# Altium PCB cyber60-mx.PcbDoc (part 3 of 4) (continued)
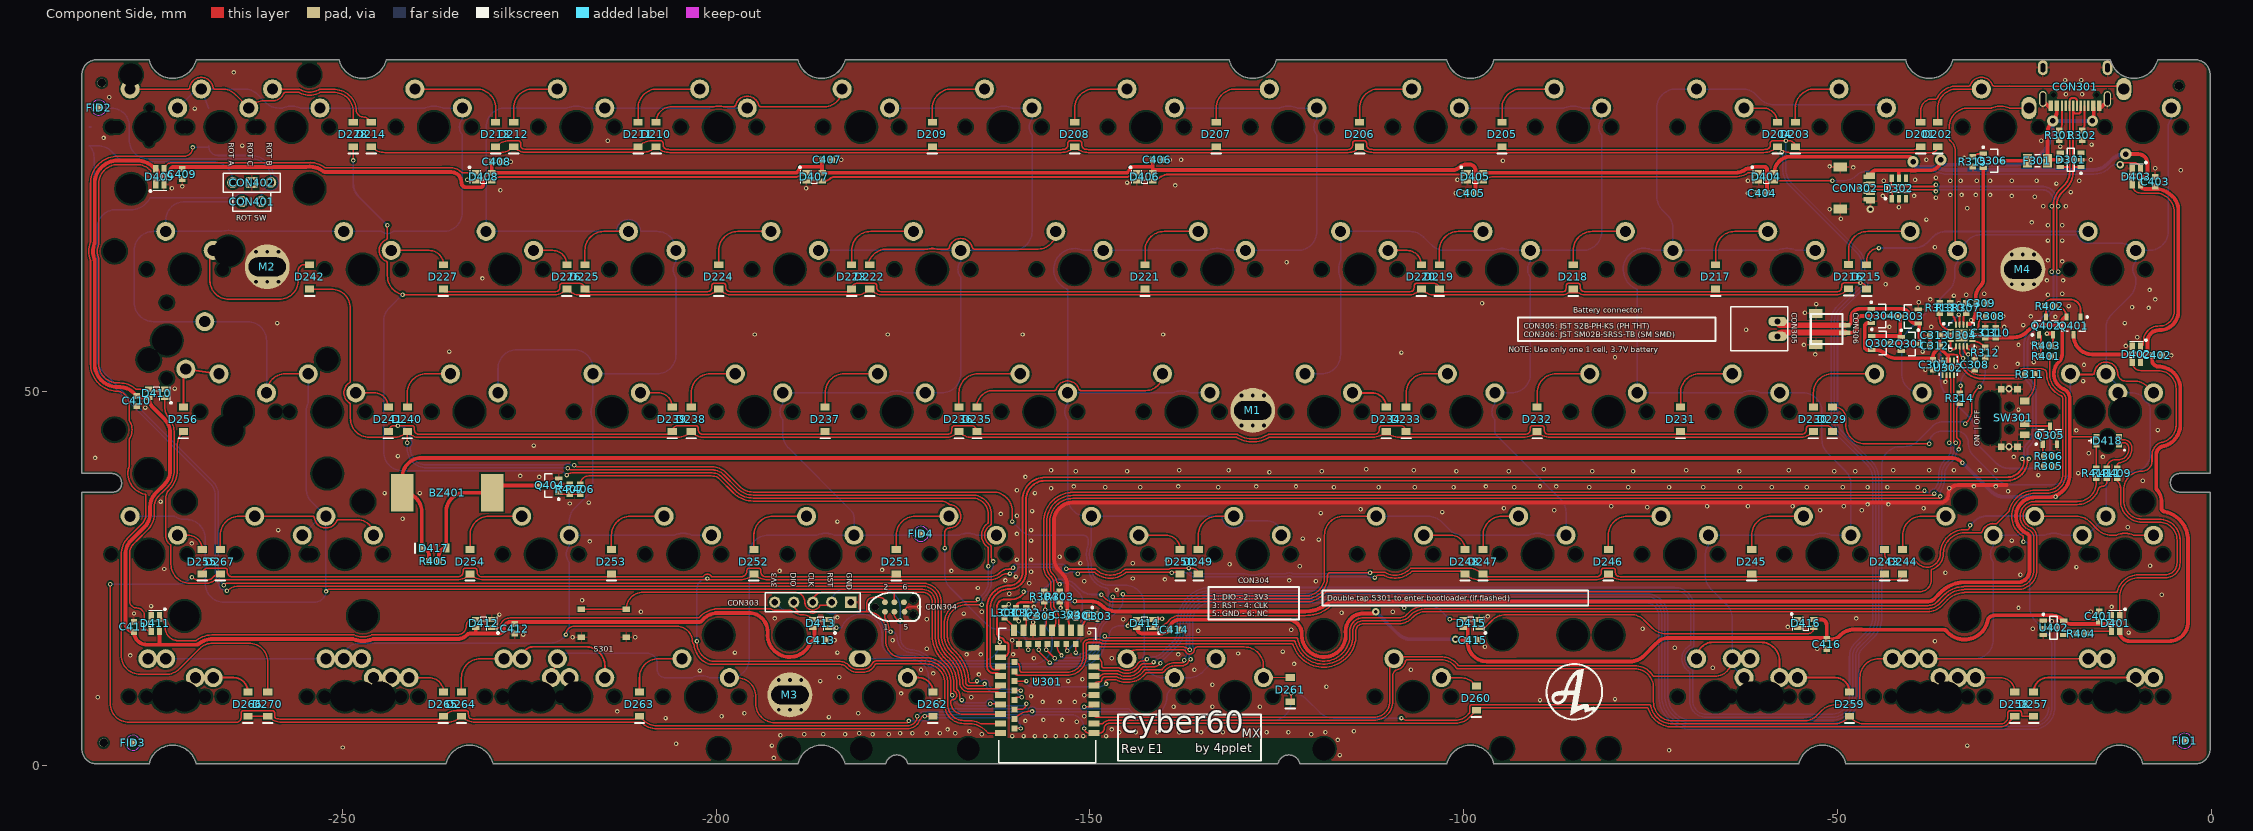
[diagram p0: Component Side view]
## Nets (pads, with @x,y where several pads share a name; then routed paths per layer and width w, separated by ;. In a path a pad name is that pad's centre, name@x,y a point inside that pad or via, vN(x,y) a via of type N, cw(c..) or ccw(c..) an arc to the next point about the centre after c; other vN are vias at no path point) (continued)
P0.06: R314.2 U301.14 | length 156.1
  Component Side w0.203: v1(-154.051,24.257) cw(c-154.051,24.421) -154.167,24.305 -154.433,24.571 ccw(c-156.293,24.279) -154.962,25.611 -155.036,25.685 cw(c-154.242,26.479) -155.36,26.373 ccw(c-155.964,26.32) -155.365,26.414 -155.365,32.639 cw(c-152.273,32.639) -152.273,35.731 -36.497,35.731 ccw(c-36.497,35.99) v1(-36.238,35.99) ; U301.14@-153.162,16.256 -153.162,15.674 ccw(c-152.728,15.674) v1(-153.035,15.367) ; v1(-33.782,42.291) -33.782,42.627 cw(c-33.579,42.626) -33.727,42.766 ccw(c-34.163,43.18) -33.91,43.726 cw(c-33.823,43.909) -34.026,43.908 -34.026,47.604 cw(c-32.76,47.604) R314.2@-33.655,48.499
  Bottom Layer w0.203: v1(-154.051,24.257) -154.051,24.26 cw(c-153.848,24.26) -153.848,24.463 -153.717,24.463 cw(c-153.717,22.327) -153.365,24.434 cw(c-153.717,22.327) -152.203,23.835 -152.004,23.636 -151.497,23.128 ; v1(-153.035,15.367) -151.511,16.891 ; -151.51,16.892 ccw(c-152.737,18.117) -151.257,17.214 ccw(c-152.737,18.117) -151.003,18.117 -151.003,21.937 ccw(c-152.688,21.937) -151.258,22.829 ccw(c-152.688,21.937) -151.496,23.128 ; v1(-36.238,35.99) -36.238,36.602 cw(c-36.035,36.601) -36.202,36.717 ccw(c-38.608,38.411) -35.665,38.411 -35.665,38.826 cw(c-33.528,38.826) -35.038,40.338 -34.706,40.669 ccw(c-36.375,42.34) v1@-34.014,42.34
P0.08: D243.2 D245.2 D247.2 D249.2 D251.2 D253.2 D255.2 U301.16 | length 289
  Component Side w0.203: D255.2@-268.732,25.63 cw(c-267.95,25.63) -267.95,26.412 -265.709,26.412 cw(c-265.709,26.085) -265.382,26.085 -265.382,25.917 -265.382,25.86 ccw(c-264.795,25.86) -264.795,25.273 -234.466,25.273 ccw(c-234.466,25.884) -233.855,25.884 -233.855,26.085 cw(c-233.528,26.085) -233.528,26.412 -232.308,26.412 cw(c-232.308,26.085) -231.981,26.085 -231.981,25.884 ccw(c-231.348,25.884) -231.679,25.345 ccw(c-231.571,25.517) -231.624,25.321 ccw(c-231.084,27.388) -231.084,25.251 -213.995,25.251 -201.845,25.251 ccw(c-201.845,25.454) -201.674,25.344 cw(c-201.168,25.019) -200.662,25.344 ccw(c-200.491,25.454) -200.491,25.251 -196.78,25.251 ccw(c-196.78,27.388) -196.61,25.258 ccw(c-196.716,26.085) -195.882,26.085 cw(c-195.555,26.085) -195.555,26.412 -194.335,26.412 cw(c-194.335,26.085) -194.008,26.085 -194.008,25.882 ccw(c-193.384,25.882) -193.688,25.337 ccw(c-193.587,25.514) -193.638,25.317 ccw(c-193.111,27.388) -193.294,25.259 ccw(c-193.276,25.461) -193.293,25.259 ccw(c-193.276,25.461) -193.277,25.258 ; -193.276,25.258 -192.532,25.258 -163.314,25.258 ccw(c-163.314,27.043) -162.052,25.781 cw(c-160.826,24.555) -160.826,26.289 -160.441,26.289 v1(-160.268,26.462) ; U301.16@-154.432,16.256 ccw(c-152.286,16.256) -153.803,14.738 v1(-153.797,14.732) ; v1(-153.156,26.335) ccw(c-153.046,26.445) -153.046,26.289 -152.661,26.289 ccw(c-152.662,26.492) -152.627,26.292 cw(c-152.521,25.7) -152.415,26.292 ccw(c-152.381,26.492) -152.382,26.289 -149.652,26.289 -149.245,26.289 -149.189,26.233 ; -148.855,25.962 cw(c-147.262,28.265) -149.177,26.222 ccw(c-147.262,28.265) -145.347,26.222 cw(c-145.208,26.073) -145.207,26.277 -139.463,26.277 ccw(c-139.464,26.48) -139.364,26.303 cw(c-139.065,25.781) -139.065,26.383 -139.065,26.387 -136.266,26.387 cw(c-136.266,25.63) D249.2@-135.509,25.63 ; v1(-146.956,22.592) ccw(c-146.65,22.592) -146.65,22.285 -144.653,22.285 ; -146.65,22.285 -144.653,22.285 ; v1(-112.522,25.781) -117.887,25.781 ccw(c-117.887,25.453) -118.215,25.453 -118.215,25.229 cw(c-121.158,25.229) -118.534,23.896 cw(c-121.158,25.229) -119.347,22.909 cw(c-121.158,25.229) -121.158,22.285 -144.653,22.285 ; v1@-112.396,25.833 -110.551,25.833 ccw(c-109.162,28.265) -107.117,26.352 cw(c-106.969,26.213) -106.968,26.416 -99.402,26.416 cw(c-99.402,23.876) -97.606,25.672 -97.564,25.63 D247.2@-97.409,25.63 ccw(c-96.241,26.798) -96.859,25.266 ccw(c-96.783,25.454) -96.783,25.251 -92.583,25.251 -82.403,25.251 ccw(c-82.403,27.388) -82.015,25.287 ccw(c-82.052,25.487) -81.976,25.298 ccw(c-82.215,25.884) -81.582,25.884 -81.582,26.085 cw(c-81.255,26.085) -81.255,26.412 -80.035,26.412 cw(c-80.035,26.085) -79.708,26.085 -79.708,25.884 ccw(c-79.075,25.884) -79.406,25.345 ccw(c-79.298,25.517) -79.351,25.321 ccw(c-78.811,27.388) -79.243,25.295 ccw(c-78.811,27.388) -78.811,25.251 -50.546,25.251 -43.915,25.251 ccw(c-43.915,25.454) -43.719,25.4 ccw(c-44.553,25.63) D243.2@-43.688,25.63
  Bottom Layer w0.203: v1(-160.268,26.462) cw(c-159.806,26.462) -159.806,26.924 -153.746,26.924 cw(c-153.746,26.335) v1(-153.156,26.335) ; v1@-153.924,14.605 ccw(c-153.418,15.111) -153.418,14.395 -151.835,14.395 ccw(c-151.835,17.2) -149.031,17.2 -149.031,17.399 cw(c-146.265,17.399) -148.221,19.354 cw(c-146.265,17.399) -148.22,19.355 -147.7,19.875 ccw(c-149.496,21.671) -146.977,21.349 cw(c-146.776,21.322) -146.976,21.352 ccw(c-148.569,21.605) -146.956,21.605 v1(-146.956,22.592) ; v1(-136.779,26.416) ccw(c-136.039,26.416) -136.039,25.676 -129.321,25.676 cw(c-129.32,25.473) -129.245,25.662 ccw(c-128.212,28.265) -127.18,25.662 cw(c-127.105,25.473) -127.104,25.676 -124.841,25.676 -123.782,25.676 ccw(c-123.783,25.879) -123.706,25.692 cw(c-123.317,24.765) -122.928,25.692 ccw(c-122.851,25.879) -122.852,25.676 -112.627,25.676 ccw(c-112.627,25.781) v1(-112.522,25.781) cw(c-112.775,26.034) v1@-112.775,25.676
P0.09/NFC1: D244.2 D246.2 D248.2 D250.2 D252.2 D254.2 D256.2 U301.41 | length 317.3
  Component Side w0.203: D256.2@-271.272,44.68 -271.347,44.605 ccw(c-269.551,42.809) -272.091,42.809 -272.091,39.406 cw(c-275.59,39.406) -272.529,37.712 cw(c-275.59,39.406) -273.115,36.934 ccw(c-271.857,35.676) -273.635,35.676 -273.635,30.73 ccw(c-272.04,30.805) -272.968,29.506 cw(c-273.116,29.299) -272.923,29.464 -272.923,26.934 ccw(c-270.383,26.934) -270.383,24.394 -268.077,24.394 ccw(c-268.077,25.747) -267.121,24.79 cw(c-266.979,24.645) -266.978,24.848 -234.676,24.848 ccw(c-234.676,27.388) D254.2@-233.428,25.176 ; D254.2@-232.88,25.592 cw(c-234.676,27.388) D254.2@-233.428,25.176 ; v1(-202.565,16.637) -202.565,16.462 ccw(c-200.025,16.462) -200.025,13.922 -183.414,13.922 cw(c-183.414,12.323) -182.284,13.455 cw(c-182.568,13.169) -182.254,13.421 cw(c-182.568,13.169) -182.253,13.42 ccw(c-181.158,14.295) -181.158,12.893 -180.358,12.893 ccw(c-180.358,14.295) -179.106,13.664 cw(c-178.566,13.389) -178.567,13.995 -171.958,13.995 cw(c-171.958,11.052) -169.111,11.798 cw(c-171.958,11.052) -169.015,11.052 -169.015,8.153 ccw(c-166.878,8.153) -166.878,6.017 ; -167.508,6.112 ccw(c-166.878,8.153) -166.878,6.017 ; U301.41@-161.952,5.596 -164.494,5.596 cw(c-164.493,5.799) -164.583,5.617 ccw(c-166.28,2.23) -166.386,6.017 cw(c-166.391,6.22) -166.39,6.017 -166.878,6.017 ; v1(-160.694,25.672) -161.177,25.672 ccw(c-161.177,24.648) -161.808,25.455 ccw(c-161.682,25.295) -161.82,25.445 cw(c-163.314,27.043) -163.314,24.855 -163.588,24.855 ccw(c-163.587,24.652) -163.6,24.855 cw(c-163.783,27.388) -163.783,24.848 -193.111,24.848 cw(c-193.111,27.388) -194.907,25.592 D252.2@-194.945,25.63 -194.984,25.592 cw(c-196.78,27.388) -196.78,24.848 -231.084,24.848 cw(c-231.084,27.388) -232.332,25.176 D254.2@-233.428,25.176 ; v1(-151.638,25.654) cw(c-151.078,25.094) -151.078,25.886 -149.485,25.886 cw(c-149.484,25.683) -149.352,25.837 ccw(c-147.262,28.265) -149.339,25.826 ; -149.338,25.825 ccw(c-147.262,28.265) -148.945,25.539 ccw(c-147.262,28.265) -146.786,25.097 ; -147.188,25.062 ccw(c-147.262,28.265) -145.28,25.748 ccw(c-147.262,28.265) -145.279,25.749 ccw(c-147.262,28.265) -145.186,25.825 cw(c-145.055,25.67) -145.054,25.873 -137.76,25.873 D250.2@-137.541,25.654 ; -111.636,25.386 cw(c-111.51,25.227) -111.509,25.43 -110.658,25.43 cw(c-110.727,25.239) -110.633,25.419 ccw(c-109.162,28.265) -110.556,25.38 ccw(c-109.162,28.265) -110.129,25.211 ccw(c-109.162,28.265) -107.697,25.416 ccw(c-109.162,28.265) -106.941,25.956 cw(c-106.801,25.81) -106.8,26.013 -100.746,26.013 cw(c-100.746,24.706) D248.2@-99.822,25.63 -99.762,25.57 ccw(c-98.019,27.313) -98.019,24.848 -82.403,24.848 ccw(c-82.403,27.388) D246.2@-81.155,25.176 ; D246.2@-80.607,25.592 cw(c-82.403,27.388) D246.2@-81.155,25.176 ; D244.2@-41.275,25.63 cw(c-42.057,25.63) -42.057,24.848 -78.811,24.848 cw(c-78.811,27.388) -80.059,25.176 D246.2@-81.155,25.176
  Bottom Layer w0.203: v1(-202.565,16.637) -202.565,23.622 cw(c-201.168,23.622) v1(-201.168,25.019) ; v1(-160.694,25.672) ccw(c-160.697,25.875) -160.554,25.731 -160.481,25.804 cw(c-160.338,25.66) -160.321,25.862 ccw(c-160.268,26.462) -160.145,25.873 ccw(c-160.268,26.462) -160.079,25.891 ccw(c-160.268,26.462) -159.676,26.355 cw(c-159.477,26.318) -159.478,26.521 -153.963,26.521 cw(c-153.964,26.318) -153.768,26.372 cw(c-154.16,26.264) -153.761,26.338 cw(c-153.96,26.301) -153.757,26.311 ccw(c-153.156,26.335) -153.754,26.265 ccw(c-153.156,26.335) -153.754,26.264 ccw(c-153.156,26.335) -152.943,25.772 ccw(c-153.156,26.335) -152.782,25.864 cw(c-152.656,25.705) -152.657,25.908 -152.251,25.908 cw(c-152.251,25.041) v1(-151.638,25.654) ; v1(-139.065,25.781) -137.092,25.781 cw(c-137.093,25.578) -136.934,25.705 ccw(c-136.039,26.416) -136.039,25.273 -129.395,25.273 cw(c-129.394,25.07) -129.324,25.26 ccw(c-128.212,28.265) -127.101,25.26 cw(c-127.03,25.07) -127.029,25.273 -124.714,25.273 -123.693,25.273 ccw(c-123.694,25.476) -123.599,25.296 cw(c-123.317,24.765) -123.035,25.296 ccw(c-122.94,25.476) -122.941,25.273 -121.671,25.273 -120.396,25.273 -112.9,25.273 cw(c-112.899,25.07) -112.804,25.249 ccw(c-112.522,25.781) -112.222,25.259 cw(c-112.121,25.083) -112.194,25.273 cw(c-112.194,24.839) v1(-111.887,25.146)
P0.17: R409.2 U301.30 | length 184.3
  Component Side w0.203: U301.30@-160.102,12.581 ccw(c-159.586,12.581) -159.586,12.065 -153.044,12.065 ccw(c-153.044,14.605) -150.504,14.605 -150.504,16.156 cw(c-150.202,16.156) -150.202,16.458 -148.702,16.458 cw(c-148.702,16.156) -148.467,16.345 ccw(c-148.309,16.473) -148.31,16.27 -123.011,16.27 cw(c-123.013,16.067) -122.82,16.13 ccw(c-118.718,17.47) -122.8,16.071 ccw(c-118.718,17.47) -122.552,15.491 ; -122.8,16.071 ccw(c-118.718,17.47) -121.837,14.488 -121.829,14.48 ccw(c-121.388,14.896) -121.816,14.467 ccw(c-118.718,17.47) -121.597,14.256 ccw(c-118.718,17.47) -114.466,16.738 ccw(c-118.718,17.47) -114.411,17.219 cw(c-114.208,17.206) -114.409,17.23 ccw(c-115.011,17.309) -114.404,17.305 -114.404,17.368 cw(c-114.201,17.367) -114.404,17.37 ccw(c-118.718,17.47) -114.43,17.953 cw(c-114.228,17.974) -114.431,17.973 cw(c-113.426,17.973) -113.426,18.979 -108.625,18.979 ccw(c-108.625,21.283) -106.996,19.654 -106.802,19.848 cw(c-105.006,18.052) -105.006,20.592 -37.889,20.592 ccw(c-37.889,23.132) -36.093,21.336 -35.286,22.143 ccw(c-35.43,22.287) -35.282,22.147 cw(c-32.994,20.01) -33.076,23.14 ccw(c-33.082,23.343) -33.032,23.145 -33.021,23.148 ; -33.02,23.149 -12.763,23.149 ccw(c-12.763,23.364) -12.721,23.153 ccw(c-12.761,23.352) -12.564,23.302 cw(c-9.71,22.584) -12.548,23.364 cw(c-9.71,22.584) -12.367,23.85 cw(c-9.71,22.584) -10.965,25.246 cw(c-9.71,22.584) -10.539,25.408 cw(c-9.71,22.584) -9.71,25.527 -6.143,25.527 ccw(c-6.143,27.101) -4.824,26.243 ccw(c-6.143,27.101) -4.569,27.101 -4.569,30.147 ccw(c-6.985,30.147) -6.985,32.563 -9.271,32.563 cw(c-9.271,35.414) -10.337,32.769 cw(c-9.271,35.414) -11.546,33.695 cw(c-9.271,35.414) -12.123,35.414 -12.123,36.998 ccw(c-13.66,36.998) R409.2@-12.573,38.085
P0.18/RESET: CON303.2 CON304.3 S301.2 U301.26 | length 70.7
  Component Side w0.203: S301.2@-218.011,20.925 S301.2@-212.011,20.925 cw(c-209.739,20.925) -209.739,23.197 -189.475,23.197 cw(c-189.475,21.844) -188.123,21.844 ccw(c-187.071,21.844) -187.912,21.213 ccw(c-187.071,21.844) -186.14,21.354 cw(c-185.96,21.26) -185.959,21.463 -184.912,21.463 ccw(c-184.912,21.844) CON303.2@-184.531,21.844 ; CON304.3@-176.149,20.574 -176.149,20.193 ccw(c-175.387,20.193) v1(-175.387,19.431) ; v1(-162.052,16.51) -162.052,15.856 U301.26@-161.952,15.756
  Bottom Layer w0.203: CON303.2@-184.531,21.844 cw(c-182.753,21.844) -182.753,23.622 -177.927,23.622 cw(c-177.927,21.082) -175.387,21.082 v1(-175.387,19.431) -175.387,17.107 ccw(c-173.769,17.107) -175.387,17.094 ccw(c-173.769,17.107) -173.987,15.503 ccw(c-173.961,15.705) -173.97,15.502 cw(c-174.117,11.755) -173.798,15.491 cw(c-174.117,11.755) -173.769,15.488 ccw(c-173.751,15.691) -173.763,15.488 cw(c-173.807,14.683) -173.68,15.479 ccw(c-173.65,15.68) -173.675,15.478 cw(c-174.117,11.755) -173.157,15.38 cw(c-174.117,11.755) -171.167,14.069 ccw(c-171.007,14.195) -171.009,13.992 -164.57,13.992 ccw(c-164.57,16.51) v1(-162.052,16.51)
P0.20: U301.32 U402.2 | length 175.5
  Component Side w0.203: U301.32@-160.102,11.311 -160.094,11.303 v1(-158.496,11.303) ; v1@-147.955,11.176 cw(c-147.659,11.176) -147.659,11.472 -146.562,11.472 cw(c-146.563,11.269) -146.472,11.451 ccw(c-145.039,14.295) -145.571,11.155 -145.546,11.151 ; -145.546,11.151 -145.498,11.143 ccw(c-145.463,11.343) -145.484,11.141 -145.465,11.139 cw(c-145.486,10.937) -145.46,11.138 ccw(c-145.039,14.295) -143.524,11.494 ccw(c-145.039,14.295) -142.531,12.334 cw(c-142.37,12.21) -142.371,12.413 -140.463,12.413 ccw(c-140.463,13.019) -139.97,12.666 cw(c-138.689,11.755) -138.682,13.327 -137.732,13.327 ccw(c-137.732,14.081) -137.291,13.469 cw(c-137.172,13.304) -137.225,13.5 ccw(c-137.381,14.081) -137.106,13.546 ccw(c-137.381,14.081) -136.781,14.037 ; U402.2@-22.457,18.415 v1(-21.336,18.415)
  Bottom Layer w0.203: v1(-158.496,11.303) ccw(c-157.734,11.303) -157.734,10.541 -148.748,10.541 ccw(c-148.748,11.842) v1(-147.828,10.922) ; v1(-136.525,14.224) cw(c-136.525,14.478) -136.648,14.256 cw(c-136.549,14.433) -136.741,14.499 ccw(c-137.314,14.698) -136.721,14.571 ccw(c-138.793,15.015) -136.713,14.613 cw(c-136.513,14.574) -136.708,14.632 cw(c-135.045,14.141) -136.681,14.714 ccw(c-137.254,14.914) -136.667,14.762 cw(c-136.47,14.71) -136.517,14.908 ccw(c-136.652,15.494) -136.216,15.908 cw(c-136.068,16.048) -136.271,16.047 -136.271,19.26 cw(c-133.731,19.26) -135.144,21.37 ccw(c-135.48,21.875) -135.12,21.387 cw(c-133.858,19.663) -133.858,21.8 -75.648,21.8 cw(c-75.648,20.066) -73.914,20.066 -73.914,10.289 ccw(c-73.511,10.287) -73.914,10.287 -73.914,9.382 ccw(c-69.358,9.382) -69.365,4.826 -23.876,4.826 ccw(c-23.876,7.769) -20.933,7.769 -20.933,18.012 ccw(c-21.336,18.012) v1(-21.336,18.415)
P0.22: D230.2 D232.2 D234.2 D236.2 D238.2 D240.2 D242.2 U301.34 | length 344.7
  Component Side w0.203: D242.2@-254.381,63.73 -251.46,63.73 cw(c-251.46,61.19) -248.92,61.19 -248.92,51.431 cw(c-249.174,51.43) -249.041,51.214 ccw(c-248.202,49.855) -249.041,48.496 cw(c-249.174,48.28) -248.92,48.279 -248.92,46.438 ccw(c-246.38,46.438) -246.38,43.898 -243.134,43.898 ccw(c-243.134,46.438) -241.338,44.642 D240.2@-241.3,44.68 ; v1(-241.3,43.18) D240.2@-241.3,44.68 ; v1(-219.837,39.751) ccw(c-219.341,40.247) -219.341,39.546 -200.523,39.546 cw(c-200.523,37.383) -198.991,38.909 -197.134,37.052 cw(c-197.278,36.908) -197.132,37.05 -197.129,37.046 ccw(c-195.035,39.151) -195.035,36.182 -165.735,36.182 cw(c-165.735,33.642) -163.195,33.642 -163.195,32.338 cw(c-163.398,32.337) -163.296,32.162 ccw(c-162.502,30.805) -163.296,29.448 cw(c-163.398,29.273) -163.195,29.272 -163.195,27.918 ccw(c-162.328,27.918) v1(-162.941,27.305) ; D238.2@-203.913,44.226 cw(c-205.161,46.438) -205.161,43.898 -239.73,43.898 cw(c-239.73,45.8) -241.075,44.455 D240.2@-241.3,44.68 ; D238.2@-203.365,44.642 ccw(c-201.569,46.438) -203.187,44.48 ccw(c-201.569,46.438) -201.569,43.898 -169.347,43.898 ccw(c-169.347,46.438) -167.766,44.45 ccw(c-169.347,46.438) -167.551,44.642 ccw(c-165.755,46.438) -165.755,43.898 -130.448,43.898 cw(c-130.447,43.695) -130.344,43.87 ccw(c-128.212,47.5) -126.08,43.87 cw(c-125.977,43.695) -125.976,43.898 -112.197,43.898 ccw(c-112.197,46.438) -110.949,44.226 D234.2@-109.853,44.226 ; -169.074,17.655 ccw(c-166.28,17.47) -168.985,16.744 ; v1(-165.1,11.303) cw(c-165.31,11.303) -165.31,11.093 -165.995,11.093 cw(c-165.994,11.297) -166.197,11.287 ccw(c-171.958,11.052) -166.299,12.153 ccw(c-171.958,11.052) -166.427,12.68 cw(c-166.232,12.736) -166.43,12.692 ccw(c-168.402,12.273) -166.588,13.153 cw(c-166.405,13.241) -166.594,13.165 ccw(c-171.958,11.052) -166.733,13.489 ccw(c-171.958,11.052) -167.831,15.078 ccw(c-169.369,13.774) -168.08,15.325 cw(c-166.28,17.47) -168.985,16.744 ; v1(-164.465,21.515) -166.532,21.515 ccw(c-166.532,18.975) -169.072,18.975 -169.072,17.685 cw(c-169.612,17.685) -169.076,17.621 ccw(c-168.874,17.598) -169.077,17.609 ccw(c-166.28,17.47) -168.985,16.744 ; U301.34@-160.102,10.041 -159.258,10.041 v1(-159.258,10.033) ; D234.2@-110.401,44.642 ccw(c-108.605,46.438) D234.2@-109.853,44.226 ; D232.2@-90.208,44.642 ccw(c-88.412,46.438) D232.2@-89.66,44.226 ; D230.2@-53.586,44.68 D230.2@-53.213,44.68 -53.251,44.642 cw(c-55.047,46.438) -55.047,43.898 -88.412,43.898 cw(c-88.412,46.438) D232.2@-89.66,44.226 ; D234.2@-109.853,44.226 ccw(c-108.605,46.438) -108.605,43.898 -92.004,43.898 ccw(c-92.004,46.438) -90.756,44.226 D232.2@-89.66,44.226
  Bottom Layer w0.203: v1(-241.3,43.18) -241.3,42.37 ccw(c-238.76,42.37) -238.76,39.83 -220.029,39.83 cw(c-220.029,39.559) v1(-219.837,39.751) ; v1(-165.1,11.303) -164.592,11.303 ccw(c-164.645,11.499) -164.504,11.353 cw(c-164.084,10.922) -163.482,10.922 ccw(c-162.743,10.922) -162.743,10.182 -159.407,10.182 cw(c-159.407,10.033) v1(-159.258,10.033) ; v1(-164.465,21.515) -164.465,21.848 cw(c-164.262,21.848) -164.441,21.943 ccw(c-164.973,22.225) -164.373,22.184 cw(c-164.17,22.17) -164.313,22.314 -164.034,22.594 ccw(c-166.116,24.674) -163.368,23.621 ccw(c-166.116,24.674) -163.173,24.674 -163.173,26.141 cw(c-162.97,26.141) -163.123,26.274 ccw(c-163.561,26.713) -162.941,26.713 v1(-162.941,27.305)
P0.26: D229.2 D231.2 D233.2 D235.2 D237.2 D239.2 D241.2 U301.12 | length 323
  Component Side w0.203: D241.2@-243.84,44.68 cw(c-243.058,44.68) -243.058,45.462 -240.69,45.462 cw(c-240.69,45.135) -240.363,45.135 -240.363,44.934 ccw(c-239.73,44.934) -239.73,44.301 -206.246,44.301 ccw(c-206.246,44.68) D239.2@-205.867,44.68 cw(c-205.085,44.68) -205.085,45.462 -202.717,45.462 cw(c-202.717,45.135) -202.39,45.135 -202.39,44.934 ccw(c-201.757,44.934) -201.998,44.349 ccw(c-201.92,44.537) -201.988,44.345 -201.974,44.34 ccw(c-201.569,46.438) -201.569,44.301 -169.347,44.301 ccw(c-169.347,46.438) -168.68,44.408 ccw(c-168.743,44.601) -168.568,44.498 ccw(c-169.315,44.934) -168.45,44.934 -168.45,45.135 cw(c-168.123,45.135) -168.123,45.462 -165.882,45.462 cw(c-165.882,44.68) D235.2@-165.1,44.68 ccw(c-163.625,46.155) -164.629,44.326 ccw(c-164.531,44.504) -164.531,44.301 -163.195,44.301 -130.335,44.301 cw(c-130.334,44.098) -130.227,44.27 ccw(c-128.212,47.5) -126.197,44.27 cw(c-126.09,44.098) -126.089,44.301 -112.197,44.301 ccw(c-112.197,46.438) -111.659,44.37 ccw(c-111.71,44.567) -111.606,44.392 ccw(c-111.933,44.934) -111.3,44.934 -111.3,45.135 cw(c-110.973,45.135) -110.973,45.462 -108.478,45.462 cw(c-108.478,44.68) D233.2@-107.696,44.68 ccw(c-107.085,44.68) -107.637,44.417 ccw(c-107.453,44.504) -107.453,44.301 -97.917,44.301 -92.004,44.301 ccw(c-92.004,46.438) -91.466,44.37 ccw(c-91.517,44.567) -91.413,44.392 ccw(c-91.74,44.934) -91.107,44.934 -91.107,45.135 cw(c-90.78,45.135) -90.78,45.462 -89.56,45.462 cw(c-89.56,45.135) -89.233,45.135 -89.233,44.934 ccw(c-88.495,44.934) -89.025,44.421 ccw(c-88.879,44.562) -88.929,44.365 ccw(c-88.412,46.438) -88.412,44.301 -55.047,44.301 ccw(c-55.047,46.438) -54.509,44.37 ccw(c-54.56,44.567) -54.456,44.392 ccw(c-54.783,44.934) -54.15,44.934 -54.15,45.135 cw(c-53.823,45.135) -53.823,45.462 -51.455,45.462 cw(c-51.455,44.68) D229.2@-50.673,44.68 ; v1(-218.992,40.184) ccw(c-218.424,40.752) -218.424,39.949 -200.523,39.949 cw(c-200.523,37.383) -198.709,39.197 -196.849,37.337 ccw(c-195.035,39.151) -195.035,36.585 -162.941,36.585 cw(c-162.941,34.045) -160.401,34.045 v1(-160.401,32.639) ; v1(-151.892,15.113) U301.12@-151.892,16.256
  Bottom Layer w0.203: v1(-242.57,45.466) cw(c-242.57,43.793) -240.897,43.793 -240.897,43.708 ccw(c-240.694,43.709) -240.847,43.576 cw(c-241.3,43.18) -240.81,42.831 ccw(c-240.644,42.713) -240.833,42.788 -240.862,42.716 cw(c-241.051,42.791) -240.897,42.658 -240.897,42.37 ccw(c-238.76,42.37) -239.104,40.261 ccw(c-239.072,40.462) -239.073,40.259 -220.213,40.259 ccw(c-220.214,40.462) -220.119,40.282 cw(c-219.837,39.751) -219.42,40.185 ccw(c-219.281,40.333) -219.213,40.142 -219.127,40.172 cw(c-219.059,39.981) -219.059,40.184 v1(-218.992,40.184) ; v1(-160.401,32.639) -159.297,31.535 ccw(c-157.501,33.331) -157.501,30.791 -150.901,30.791 cw(c-150.901,30.095) -150.205,30.095 -150.205,29.57 cw(c-150.409,29.571) -150.221,29.494 ccw(c-147.262,28.265) -150.221,27.036 cw(c-150.409,26.959) -150.205,26.96 -150.205,26.543 ccw(c-147.389,26.543) -149.833,25.143 ccw(c-147.389,26.543) -148.467,23.941 ccw(c-147.389,26.543) -148.02,23.798 cw(c-148.066,23.6) -147.922,23.744 cw(c-147.922,23.331) -147.509,23.331 -147.509,22.867 cw(c-147.712,22.868) -147.521,22.8 ccw(c-146.956,22.592) -147.409,22.196 cw(c-147.563,22.063) -147.36,22.064 -147.36,21.605 cw(c-148.569,21.605) -147.375,21.413 ccw(c-146.976,21.352) -147.376,21.408 ccw(c-146.977,21.349) -147.377,21.399 cw(c-149.496,21.671) -147.987,20.159 -148.245,19.9 -148.69,19.456 ccw(c-146.894,17.659) -149.434,17.659 -149.434,17.2 cw(c-151.835,17.2) -151.835,14.799 cw(c-151.698,14.936) -151.892,14.936 v1(-151.892,15.113)
P0.29/AIN5: D202.2 D204.2 D206.2 D208.2 D210.2 D212.2 D214.2 U301.8 | length 420.4
  Component Side w0.203: D214.2@-245.753,82.78 D214.2@-246.126,82.78 -246.088,82.742 ccw(c-244.292,84.538) -244.292,81.998 -228.91,81.998 ccw(c-228.91,84.538) -227.114,82.742 ccw(c-225.379,84.477) -225.379,82.023 -209.835,82.023 ccw(c-209.835,84.563) -209.826,82.023 ccw(c-209.835,84.563) -208.039,82.767 D210.2@-208.026,82.78 -207.988,82.742 ccw(c-206.192,84.538) -207.598,82.423 ccw(c-206.192,84.538) -206.192,81.998 -153.853,81.998 ccw(c-153.853,84.538) -152.605,82.326 ccw(c-153.853,84.538) -152.057,82.742 D208.2@-152.019,82.78 -151.981,82.742 ccw(c-150.185,84.538) -151.433,82.326 ccw(c-150.185,84.538) -150.185,81.998 -115.411,81.998 ccw(c-115.411,83.883) -114.079,82.55 -113.666,82.55 ccw(c-112.085,84.538) -112.085,81.998 -59.873,81.998 ccw(c-59.873,84.538) -58.625,82.326 ccw(c-59.873,84.538) -58.077,82.742 D204.2@-58.039,82.78 -58.001,82.742 ccw(c-56.205,84.538) -57.453,82.326 ccw(c-56.205,84.538) -56.253,81.998 ccw(c-56.205,84.538) -56.205,81.998 -37.358,81.998 ccw(c-37.358,82.78) D202.2@-36.576,82.78 ; U301.8@-149.452,13.216 ccw(c-148.163,14.505) -148.418,12.7 ccw(c-148.163,14.505) -148.163,12.682 -146.413,12.682 cw(c-146.411,11.876) -146.277,12.671 ccw(c-146.244,12.871) -146.245,12.668 -146.219,12.668 cw(c-146.22,12.465) -146.111,12.636 ccw(c-145.039,14.295) -145.639,12.413 ; -145.879,12.507 ccw(c-145.039,14.295) -143.323,13.318 cw(c-142.797,13.016) -142.796,13.622 -142.24,13.622 -141.788,13.622 ccw(c-141.788,13.826) -141.661,13.667 ccw(c-142.24,14.382) -141.59,13.731 v1(-141.478,13.843)
  Bottom Layer w0.203: v1(-141.478,13.843) -141.258,14.063 cw(c-141.114,13.92) -141.181,14.112 ccw(c-142.149,16.891) -140.069,14.809 -139.192,15.686 ccw(c-139.315,15.847) -139.171,15.704 -138.512,16.364 ccw(c-140.021,17.877) -137.951,17.345 ccw(c-140.021,17.877) -137.884,17.877 -137.884,19.26 cw(c-133.731,19.26) -137.841,19.855 cw(c-133.731,19.26) -137.225,21.505 cw(c-133.731,19.26) -136.06,22.698 ccw(c-136.174,22.866) -136.055,22.701 cw(c-133.858,19.663) -135.242,23.148 cw(c-133.858,19.663) -133.991,23.41 cw(c-133.858,19.663) -133.858,23.412 -71.755,23.412 cw(c-71.755,21.276) -70.41,22.936 cw(c-70.538,22.779) -70.395,22.923 -70.108,22.635 cw(c-70.252,22.492) -70.095,22.62 cw(c-71.755,21.276) -69.618,21.276 -69.618,16.238 cw(c-69.821,16.239) -69.729,16.058 ccw(c-68.839,14.295) -70.054,15.852 ccw(c-68.839,14.295) -69.99,12.69 cw(c-70.109,12.525) -69.965,12.669 -69.805,12.509 cw(c-69.948,12.365) -69.745,12.365 -69.745,8.62 ccw(c-67.564,8.62) -67.564,6.439 -50.816,6.439 ccw(c-50.816,9.271) -50.812,6.439 ccw(c-50.816,9.271) -49.129,6.996 ccw(c-50.816,9.271) -47.984,9.271 -47.984,14.569 cw(c-45.847,14.569) -47.979,14.712 cw(c-47.776,14.697) -47.977,14.727 -47.967,14.797 ccw(c-48.168,14.827) -47.965,14.826 -47.965,14.841 cw(c-47.762,14.84) -47.963,14.866 cw(c-45.847,14.569) -47.962,14.876 cw(c-47.761,14.846) -47.961,14.879 -47.954,14.921 ccw(c-48.155,14.954) -47.954,14.922 -47.95,14.947 cw(c-47.749,14.915) -47.95,14.949 cw(c-45.847,14.569) -47.357,16.081 -46.451,16.987 -45.74,17.697 ccw(c-47.822,19.778) -44.879,19.778 -44.879,38.388 ccw(c-47.822,38.388) -45.74,40.469 -49.675,44.403 -49.77,44.498 cw(c-48.26,46.01) -50.397,46.01 -50.397,59.623 cw(c-48.26,59.623) -49.77,61.135 -49.415,61.49 -47.011,63.893 cw(c-46.868,63.749) -46.882,63.952 ccw(c-46.923,64.552) -46.632,65.079 cw(c-46.533,65.256) -46.736,65.255 -46.736,66.893 ccw(c-49.276,66.893) -47.48,68.689 -56.437,77.646 cw(c-54.356,79.727) -57.299,79.727 -57.299,81.661 ccw(c-57.847,81.661) v1(-57.46,82.048)
P0.30/AIN6: R401.1 U301.10 | length 204.3
  Component Side w0.203: U301.10@-149.452,15.756 cw(c-149.341,15.756) -149.341,15.867 -137.496,15.867 cw(c-137.494,15.26) -137.372,15.854 ccw(c-137.332,16.053) -137.362,15.852 ; -137.362,15.852 cw(c-137.552,14.594) -137.297,15.841 ; -137.296,15.841 cw(c-137.418,15.247) -136.914,15.584 ccw(c-136.745,15.697) -136.745,15.494 v1@-136.653,15.494 ; v1(-25.119,29.943) -25.119,30.544 ccw(c-25.322,30.545) -25.214,30.717 cw(c-23.596,33.345) -25.822,31.208 cw(c-23.596,33.345) -26.549,34.242 cw(c-23.596,33.345) -24.699,36.227 cw(c-23.596,33.345) -23.56,36.431 -23.495,36.431 -22.978,36.431 -21.971,36.431 ccw(c-21.971,38.923) -19.479,38.923 -19.479,45.212 cw(c-18.923,45.212) -19.476,45.27 ccw(c-19.678,45.29) -19.475,45.289 -19.475,49.116 cw(c-18.923,49.118) -19.475,49.12 ccw(c-20.273,49.122) -19.48,49.214 ; -21.588,51.986 cw(c-21.771,51.899) -21.574,51.946 ccw(c-21.775,51.916) -21.574,51.948 cw(c-18.834,52.395) -21.576,52.829 ccw(c-21.777,52.86) -21.574,52.859 -21.574,54.611 cw(c-21.448,54.611) R401.1@-21.448,54.737 ; -21.574,51.946 ccw(c-18.834,52.395) -19.956,49.855 cw(c-20.273,49.122) -19.48,49.214 ; -19.482,49.233 cw(c-20.273,49.122) -19.48,49.214
  Bottom Layer w0.203: v1(-136.652,15.494) -136.674,15.516 -136.674,19.26 cw(c-133.731,19.26) -135.367,21.706 ccw(c-135.48,21.875) -135.36,21.711 cw(c-133.858,19.663) -133.858,22.203 -75.648,22.203 cw(c-75.648,20.066) -74.157,21.597 cw(c-75.648,20.066) -73.511,20.066 -73.511,10.287 -73.511,9.382 ccw(c-69.358,9.382) -73.511,9.375 ccw(c-69.358,9.382) -73.365,8.289 ccw(c-69.358,9.382) -72.666,6.872 ccw(c-69.358,9.382) -71.805,6.027 ccw(c-69.358,9.382) -70.867,5.513 ccw(c-69.358,9.382) -70.6,5.419 ; -70.599,5.419 ccw(c-69.358,9.382) -69.365,5.229 -68.707,5.229 -23.876,5.229 ccw(c-23.876,7.769) -21.336,7.769 -21.336,16.084 ccw(c-23.876,16.084) -22.08,17.88 -22.357,18.157 ccw(c-24.265,16.502) -22.479,18.288 -23.513,19.322 cw(c-21.717,21.118) -24.257,21.118 -24.257,29.081 ccw(c-25.119,29.081) v1(-25.119,29.943)